# Altium PCB 全兼容主控.PCBDOC (part 7 of 9)
Units mil, origin at the board's own origin, x right, y up, seen from the top; angles counter-clockwise.
Board outline 7562.36 x 15046.55 mil, 2 copper layers (TopLayer, BottomLayer); 375 components, 257 nets, 1094 pads, 839 vias.
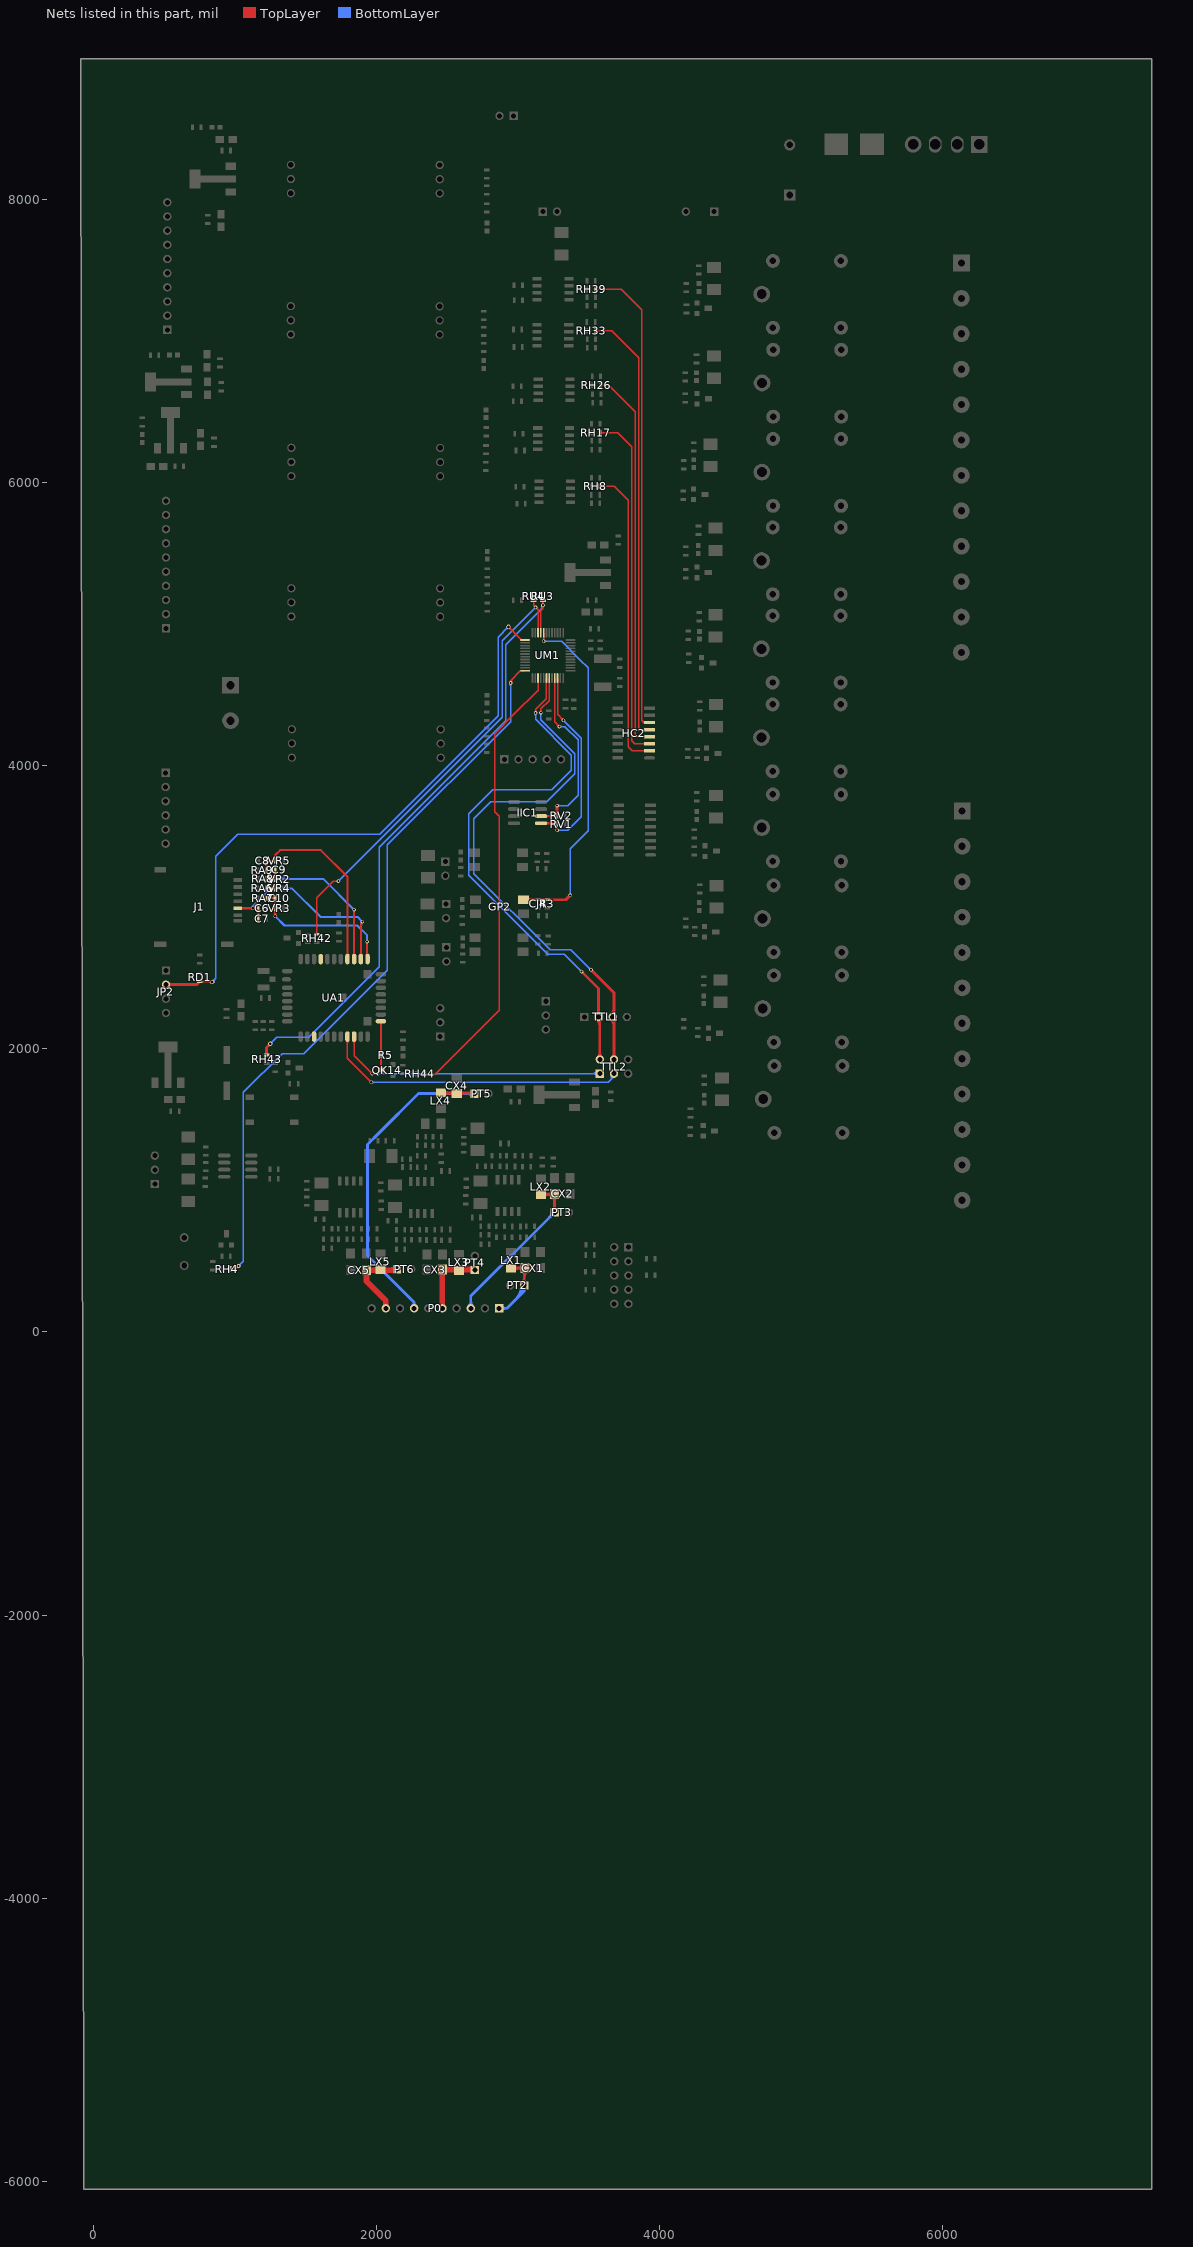
[diagram p7: the nets of this part, all layers, seen from the top]

## Via types
v1: diameter 30, hole 20, TopLayer to BottomLayer, 758 vias
v2: diameter 25, hole 15, TopLayer to BottomLayer, 81 vias

## Nets (pads, with @x,y where several pads share a name; then routed paths per layer and width w, separated by ;. In a path a pad name is that pad's centre, name@x,y a point inside that pad or via, vN(x,y) a via of type N, cw(c..) or ccw(c..) an arc to the next point about the centre after c; other vN are vias at no path point) (continued)
PB2: CJ4.2 GP2.4 R3.1 UM1.20 | length 2940.7
  TopLayer w10: v2(3181.18,4877.85) UM1.20@3181.18,4938.32 ; v2@3175.87,4883.16 ccw(c3163.07,4895.96) 3181.18,4895.96 ; v2@3175.87,4883.16 ccw(c3163.07,4895.96) 3181.18,4895.96 ; v2@3175.87,4883.16 ccw(c3163.07,4895.96) 3181.18,4895.96 ; 3181.18,4895.96 ccw(c3199.28,4895.96) v2@3186.48,4883.16 ; 3181.18,4895.96 ccw(c3199.28,4895.96) v2@3186.48,4883.16 ; 3181.18,4895.96 ccw(c3199.28,4895.96) v2@3186.48,4883.16
  TopLayer w20: GP2.4@3033.65,3045.68 3039.26,3051.3 3337.03,3051.3 v2(3368.83,3083.1) ; GP2.4@3063.82,3038.55 cw(c3094.59,3007.78) 3094.59,3051.3 ; GP2.4@3063.82,3038.55 cw(c3094.59,3007.78) 3094.59,3051.3 ; GP2.4@3063.82,3038.55 cw(c3094.59,3007.78) 3094.59,3051.3 ; GP2.4@3063.82,3066.17 ccw(c3099.72,3102.06) 3099.72,3051.3 ; GP2.4@3063.82,3066.17 ccw(c3099.72,3102.06) 3099.72,3051.3 ; GP2.4@3063.82,3066.17 ccw(c3099.72,3102.06) 3099.72,3051.3
  BottomLayer w10: v2(3181.18,4877.85) 3308.13,4877.85 3437.44,4748.55 3495.07,4690.91 3495.07,3538.42 3368.83,3412.17 v2(3368.83,3083.1) ; v2@3186.48,4872.55 cw(c3199.28,4859.75) 3199.28,4877.85 ; v2@3186.48,4872.55 cw(c3199.28,4859.75) 3199.28,4877.85 ; v2@3186.48,4872.55 cw(c3199.28,4859.75) 3199.28,4877.85 ; v2@3186.48,4883.16 ccw(c3199.28,4895.96) 3199.28,4877.85 ; v2@3186.48,4883.16 ccw(c3199.28,4895.96) 3199.28,4877.85 ; v2@3186.48,4883.16 ccw(c3199.28,4895.96) 3199.28,4877.85 ; v2@3363.53,3088.4 ccw(c3350.72,3101.2) 3368.83,3101.2 ; v2@3363.53,3088.4 ccw(c3350.72,3101.2) 3368.83,3101.2 ; v2@3363.53,3088.4 ccw(c3350.72,3101.2) 3368.83,3101.2 ; 3368.83,3101.2 ccw(c3386.94,3101.2) v2@3374.13,3088.4 ; 3368.83,3101.2 ccw(c3386.94,3101.2) v2@3374.13,3088.4 ; 3368.83,3101.2 ccw(c3386.94,3101.2) v2@3374.13,3088.4
PB3: RH44.2 UM1.39 | length 3259.1
  TopLayer w10: RH44.2@2336.28,1821.95 2419.1,1821.95 2867.34,2270.19 2867.34,3640.56 2835.52,3672.38 2835.52,4225.16 2971.08,4360.72 3141.81,4531.45 UM1.39@3141.81,4617.45 ; RH44.2@2339.7,1818.52 cw(c2347.97,1810.26) 2347.97,1821.95 ; RH44.2@2339.7,1818.52 cw(c2347.97,1810.26) 2347.97,1821.95 ; RH44.2@2339.7,1818.52 cw(c2347.97,1810.26) 2347.97,1821.95 ; RH44.2@2339.7,1825.37 ccw(c2347.97,1833.64) 2347.97,1821.95 ; RH44.2@2339.7,1825.37 ccw(c2347.97,1833.64) 2347.97,1821.95 ; RH44.2@2339.7,1825.37 ccw(c2347.97,1833.64) 2347.97,1821.95
PB8: IIC1.6 RV2.1 UM1.45 | length 1655.9
  TopLayer w10: UM1.45@3259.92,4617.45 3259.92,4307.67 v2(3292.44,4275.14) ; 3279.64,4287.95 cw(c3266.84,4275.14) v2@3284.94,4275.14 ; 3279.64,4287.95 ccw(c3292.44,4300.75) v2@3292.44,4282.64 ; 3279.64,4287.95 cw(c3266.84,4275.14) v2@3284.94,4275.14 ; 3279.64,4287.95 ccw(c3292.44,4300.75) v2@3292.44,4282.64 ; 3279.64,4287.95 cw(c3266.84,4275.14) v2@3284.94,4275.14 ; 3279.64,4287.95 ccw(c3292.44,4300.75) v2@3292.44,4282.64
  TopLayer w15: IIC1.6@3163.32,3642.13 3270.64,3642.13 RV2.1@3274.68,3646.17 ; IIC1.6@3197.29,3637.69 cw(c3208.01,3626.97) 3208.01,3642.13 ; IIC1.6@3197.29,3637.69 cw(c3208.01,3626.97) 3208.01,3642.13 ; IIC1.6@3197.29,3637.69 cw(c3208.01,3626.97) 3208.01,3642.13 ; IIC1.6@3197.29,3646.57 ccw(c3208.01,3657.29) 3208.01,3642.13 ; IIC1.6@3197.29,3646.57 ccw(c3208.01,3657.29) 3208.01,3642.13 ; IIC1.6@3197.29,3646.57 ccw(c3208.01,3657.29) 3208.01,3642.13 ; 3259.28,3642.13 ccw(c3259.28,3661.58) RV2.1@3273.03,3647.83 ; 3259.28,3642.13 ccw(c3259.28,3661.58) RV2.1@3273.03,3647.83 ; 3259.28,3642.13 ccw(c3259.28,3661.58) RV2.1@3273.03,3647.83
  TopLayer w20: RV2.1@3274.68,3646.17 3274.68,3714.42 v2(3276.86,3716.59)
  BottomLayer w10: v2(3276.86,3716.59) 3352.67,3716.59 3425.7,3789.62 3425.7,4180.69 3331.25,4275.14 v2(3292.44,4275.14) ; v2@3282.16,3711.29 cw(c3294.97,3698.49) 3294.97,3716.59 ; v2@3282.16,3711.29 cw(c3294.97,3698.49) 3294.97,3716.59 ; v2@3282.16,3711.29 cw(c3294.97,3698.49) 3294.97,3716.59 ; v2@3282.16,3721.9 ccw(c3294.97,3734.7) 3294.97,3716.59 ; v2@3282.16,3721.9 ccw(c3294.97,3734.7) 3294.97,3716.59 ; v2@3282.16,3721.9 ccw(c3294.97,3734.7) 3294.97,3716.59 ; v2@3297.75,4269.84 cw(c3310.55,4257.04) 3310.55,4275.14 ; v2@3297.75,4269.84 cw(c3310.55,4257.04) 3310.55,4275.14 ; v2@3297.75,4269.84 cw(c3310.55,4257.04) 3310.55,4275.14 ; v2@3297.75,4280.45 ccw(c3310.55,4293.25) 3310.55,4275.14 ; v2@3297.75,4280.45 ccw(c3310.55,4293.25) 3310.55,4275.14 ; v2@3297.75,4280.45 ccw(c3310.55,4293.25) 3310.55,4275.14
PB9: IIC1.5 RV1.1 UM1.46 | length 1778.8
  TopLayer w10: UM1.46@3279.6,4617.45 3279.6,4361.22 v2(3320.92,4319.9) ; 3308.12,4332.71 cw(c3295.32,4319.9) v2@3313.42,4319.9 ; 3308.12,4332.71 ccw(c3320.92,4345.51) v2@3320.92,4327.4 ; 3308.12,4332.71 cw(c3295.32,4319.9) v2@3313.42,4319.9 ; 3308.12,4332.71 ccw(c3320.92,4345.51) v2@3320.92,4327.4 ; 3308.12,4332.71 cw(c3295.32,4319.9) v2@3313.42,4319.9 ; 3308.12,4332.71 ccw(c3320.92,4345.51) v2@3320.92,4327.4
  TopLayer w15: IIC1.5@3163.32,3592.13 3267.43,3592.13 RV1.1@3274.35,3585.21 ; IIC1.5@3197.29,3587.69 cw(c3208.01,3576.97) 3208.01,3592.13 ; IIC1.5@3197.29,3587.69 cw(c3208.01,3576.97) 3208.01,3592.13 ; IIC1.5@3197.29,3587.69 cw(c3208.01,3576.97) 3208.01,3592.13 ; IIC1.5@3197.29,3596.57 ccw(c3208.01,3607.29) 3208.01,3592.13 ; IIC1.5@3197.29,3596.57 ccw(c3208.01,3607.29) 3208.01,3592.13 ; IIC1.5@3197.29,3596.57 ccw(c3208.01,3607.29) 3208.01,3592.13 ; 3261.65,3592.13 ccw(c3261.65,3607.75) RV1.1@3272.7,3596.71 ; 3261.65,3592.13 ccw(c3261.65,3607.75) RV1.1@3272.7,3596.71 ; 3261.65,3592.13 ccw(c3261.65,3607.75) RV1.1@3272.7,3596.71
  TopLayer w20: v2@3274.35,3544.32 RV1.1@3274.35,3585.21
  BottomLayer w10: v2(3276.4,3542.28) 3276.45,3542.33 3351.85,3542.33 3447.52,3638 3447.52,4193.31 v2(3320.92,4319.9) ; v2@3281.7,3536.97 cw(c3294.64,3524.04) 3294.64,3542.33 ; v2@3281.7,3536.97 cw(c3294.64,3524.04) 3294.64,3542.33 ; v2@3281.7,3536.97 cw(c3294.64,3524.04) 3294.64,3542.33 ; v2@3281.7,3547.58 ccw(c3294.37,3560.25) 3294.37,3542.33 ; v2@3281.7,3547.58 ccw(c3294.37,3560.25) 3294.37,3542.33 ; v2@3281.7,3547.58 ccw(c3294.37,3560.25) 3294.37,3542.33 ; v2@3320.92,4312.4 cw(c3320.92,4294.3) 3333.73,4307.1 ; v2@3320.92,4312.4 cw(c3320.92,4294.3) 3333.73,4307.1 ; v2@3320.92,4312.4 cw(c3320.92,4294.3) 3333.73,4307.1 ; v2@3328.42,4319.9 ccw(c3346.53,4319.9) 3333.73,4307.1 ; v2@3328.42,4319.9 ccw(c3346.53,4319.9) 3333.73,4307.1 ; v2@3328.42,4319.9 ccw(c3346.53,4319.9) 3333.73,4307.1
PB10: RH43.2 RU3.2 UM1.21 | length 4982.4
  TopLayer w10: UM1.21@3161.49,4938.32 3161.49,5092.5 3176.5,5107.51 RU3.2@3176.5,5165.15 ; v2@3171.29,5126.22 cw(c3158.71,5113.64) 3176.5,5113.64 ; v2@3171.29,5126.22 cw(c3158.71,5113.64) 3176.5,5113.64 ; v2@3171.29,5126.22 cw(c3158.71,5113.64) 3176.5,5113.64 ; v2@3171.29,5136.82 ccw(c3158.71,5149.4) 3176.5,5149.4 ; v2@3171.29,5136.82 ccw(c3158.71,5149.4) 3176.5,5149.4 ; v2@3171.29,5136.82 ccw(c3158.71,5149.4) 3176.5,5149.4 ; RU3.2@3173.08,5161.72 cw(c3164.81,5153.46) 3176.5,5153.46 ; RU3.2@3173.08,5161.72 cw(c3164.81,5153.46) 3176.5,5153.46 ; RU3.2@3173.08,5161.72 cw(c3164.81,5153.46) 3176.5,5153.46 ; 3176.5,5113.19 cw(c3194.93,5113.19) v2@3181.9,5126.22 ; 3176.5,5113.19 cw(c3194.93,5113.19) v2@3181.9,5126.22 ; 3176.5,5113.19 cw(c3194.93,5113.19) v2@3181.9,5126.22 ; 3176.5,5149.85 ccw(c3194.93,5149.85) v2@3181.9,5136.82 ; 3176.5,5149.85 ccw(c3194.93,5149.85) v2@3181.9,5136.82 ; 3176.5,5149.85 ccw(c3194.93,5149.85) v2@3181.9,5136.82 ; 3176.5,5153.46 cw(c3188.19,5153.46) RU3.2@3179.93,5161.72 ; 3176.5,5153.46 cw(c3188.19,5153.46) RU3.2@3179.93,5161.72 ; 3176.5,5153.46 cw(c3188.19,5153.46) RU3.2@3179.93,5161.72
  TopLayer w20: RH43.2@1224.75,1955.22 1224.75,2009.38 v1(1249.84,2034.47)
  BottomLayer w10: v1(1249.84,2034.47) 1295.11,2079.74 1520.96,2079.74 2018.7,2577.48 2018.7,3421.22 2912.73,4315.25 2912.73,4851 3176.6,5114.86 ; v2(3176.6,5131.52) 3176.6,5114.86 ; v1@1249.84,2044.47 ccw(c1249.84,2068.61) 1266.91,2051.54 ; v1@1249.84,2044.47 ccw(c1249.84,2068.61) 1266.91,2051.54 ; v1@1249.84,2044.47 ccw(c1249.84,2068.61) 1266.91,2051.54 ; v1@1259.84,2034.47 cw(c1283.98,2034.47) 1266.91,2051.54 ; v1@1259.84,2034.47 cw(c1283.98,2034.47) 1266.91,2051.54 ; v1@1259.84,2034.47 cw(c1283.98,2034.47) 1266.91,2051.54 ; 3152.01,5090.28 ccw(c3110.78,5131.52) v2@3169.1,5131.52 ; 3152.01,5090.28 ccw(c3110.78,5131.52) v2@3169.1,5131.52 ; 3152.01,5090.28 ccw(c3110.78,5131.52) v2@3169.1,5131.52 ; 3169.09,5107.35 ccw(c3144.92,5131.52) v2@3179.1,5131.52 ; 3169.09,5107.35 ccw(c3144.92,5131.52) v2@3179.1,5131.52 ; 3169.09,5107.35 ccw(c3144.92,5131.52) v2@3179.1,5131.52 ; v2@3171.62,5125.9 cw(c3161.85,5114.86) 3176.6,5114.86 ; v2@3171.62,5125.9 cw(c3161.85,5114.86) 3176.6,5114.86 ; v2@3171.62,5125.9 cw(c3161.85,5114.86) 3176.6,5114.86 ; 3176.6,5114.86 cw(c3191.34,5114.86) v2@3181.57,5125.9 ; 3176.6,5114.86 cw(c3191.34,5114.86) v2@3181.57,5125.9 ; 3176.6,5114.86 cw(c3191.34,5114.86) v2@3181.57,5125.9
PB11: RH42.2 RU4.2 UM1.22 | length 3747.7
  TopLayer w10: RH42.2@1577.36,2808.38 1577.36,3064.81 1695.55,3183 v2(1732.17,3183) ; RU4.2@3109.84,5165.15 3109.84,5131.56 3141.81,5099.59 UM1.22@3141.81,4938.32 ; RH42.2@1573.94,2811.81 ccw(c1565.67,2820.07) 1577.36,2820.07 ; RH42.2@1573.94,2811.81 ccw(c1565.67,2820.07) 1577.36,2820.07 ; RH42.2@1573.94,2811.81 ccw(c1565.67,2820.07) 1577.36,2820.07 ; 1577.36,2820.07 ccw(c1589.05,2820.07) RH42.2@1580.78,2811.81 ; 1577.36,2820.07 ccw(c1589.05,2820.07) RH42.2@1580.78,2811.81 ; 1577.36,2820.07 ccw(c1589.05,2820.07) RH42.2@1580.78,2811.81 ; 1714.06,3183 cw(c1714.06,3164.89) v2@1726.86,3177.7 ; 1714.06,3183 ccw(c1714.06,3201.11) v2@1726.86,3188.3 ; 1714.06,3183 cw(c1714.06,3164.89) v2@1726.86,3177.7 ; 1714.06,3183 ccw(c1714.06,3201.11) v2@1726.86,3188.3 ; 1714.06,3183 cw(c1714.06,3164.89) v2@1726.86,3177.7 ; 1714.06,3183 ccw(c1714.06,3201.11) v2@1726.86,3188.3 ; RU4.2@3106.41,5161.72 cw(c3098.15,5153.46) 3109.84,5153.46 ; RU4.2@3106.41,5161.72 cw(c3098.15,5153.46) 3109.84,5153.46 ; RU4.2@3106.41,5161.72 cw(c3098.15,5153.46) 3109.84,5153.46 ; 3109.84,5153.46 cw(c3121.53,5153.46) RU4.2@3113.26,5161.72 ; 3109.84,5153.46 cw(c3121.53,5153.46) RU4.2@3113.26,5161.72 ; 3109.84,5153.46 cw(c3121.53,5153.46) RU4.2@3113.26,5161.72 ; 3111.62,5129.78 cw(c3098.82,5116.98) v2@3116.92,5116.98 ; 3111.62,5129.78 ccw(c3124.42,5142.58) v2@3124.42,5124.48 ; 3111.62,5129.78 cw(c3098.82,5116.98) v2@3116.92,5116.98 ; 3111.62,5129.78 ccw(c3124.42,5142.58) v2@3124.42,5124.48 ; 3111.62,5129.78 cw(c3098.82,5116.98) v2@3116.92,5116.98 ; 3111.62,5129.78 ccw(c3124.42,5142.58) v2@3124.42,5124.48 ; v2@3124.42,5109.48 cw(c3124.42,5091.37) 3137.23,5104.17 ; v2@3124.42,5109.48 cw(c3124.42,5091.37) 3137.23,5104.17 ; v2@3124.42,5109.48 cw(c3124.42,5091.37) 3137.23,5104.17 ; v2@3131.92,5116.98 ccw(c3150.03,5116.98) 3137.23,5104.17 ; v2@3131.92,5116.98 ccw(c3150.03,5116.98) 3137.23,5104.17 ; v2@3131.92,5116.98 ccw(c3150.03,5116.98) 3137.23,5104.17
  BottomLayer w10: v2(1732.17,3183) 1732.17,3183.43 2890.11,4341.38 2890.11,4882.67 3041.03,5033.59 v2(3124.42,5116.98) ; v2@1732.17,3190.5 ccw(c1732.17,3207.57) 1744.24,3195.5 ; v2@1732.17,3190.5 ccw(c1732.17,3207.57) 1744.24,3195.5 ; v2@1732.17,3190.5 ccw(c1732.17,3207.57) 1744.24,3195.5 ; v2@1739.67,3183 cw(c1758.81,3183) 1745.27,3196.53 ; v2@1739.67,3183 cw(c1758.81,3183) 1745.27,3196.53 ; v2@1739.67,3183 cw(c1758.81,3183) 1745.27,3196.53 ; 3111.62,5104.17 cw(c3124.42,5091.37) v2@3124.42,5109.48 ; 3111.62,5104.17 ccw(c3098.82,5116.98) v2@3116.92,5116.98 ; 3111.62,5104.17 cw(c3124.42,5091.37) v2@3124.42,5109.48 ; 3111.62,5104.17 ccw(c3098.82,5116.98) v2@3116.92,5116.98 ; 3111.62,5104.17 cw(c3124.42,5091.37) v2@3124.42,5109.48 ; 3111.62,5104.17 ccw(c3098.82,5116.98) v2@3116.92,5116.98
PB12: JP2.2 RD1.2 UM1.25 | length 5146.3
  TopLayer w10: v1(2932.48,4979.23) 3025.55,4886.15 UM1.25@3050.27,4886.15 ; 3017.48,4894.23 cw(c3009.41,4886.15) UM1.25@3020.82,4886.15 ; v1@2932.48,4969.23 cw(c2932.48,4945.08) 2949.55,4962.15 ; v1@2932.48,4969.23 cw(c2932.48,4945.08) 2949.55,4962.15 ; v1@2932.48,4969.23 cw(c2932.48,4945.08) 2949.55,4962.15 ; v1@2942.48,4979.23 ccw(c2966.62,4979.23) 2949.55,4962.15 ; v1@2942.48,4979.23 ccw(c2966.62,4979.23) 2949.55,4962.15 ; v1@2942.48,4979.23 ccw(c2966.62,4979.23) 2949.55,4962.15
  TopLayer w15: RD1.2@752.28,2473.37 837.15,2473.37 v1(839.86,2470.66) ; 815.2,2473.37 cw(c815.2,2445.99) v1@834.56,2465.35 ; 815.2,2473.37 cw(c815.2,2445.99) v1@834.56,2465.35 ; 815.2,2473.37 cw(c815.2,2445.99) v1@834.56,2465.35
  TopLayer w20: JP2.2@513.62,2452.2 731.11,2452.2 RD1.2@752.28,2473.37 ; JP2.2@527.43,2438.39 cw(c560.76,2405.06) 560.76,2452.2 ; JP2.2@527.43,2438.39 cw(c560.76,2405.06) 560.76,2452.2 ; JP2.2@527.43,2438.39 cw(c560.76,2405.06) 560.76,2452.2 ; JP2.2@527.43,2466.01 ccw(c560.76,2499.35) 560.76,2452.2 ; JP2.2@527.43,2466.01 ccw(c560.76,2499.35) 560.76,2452.2 ; JP2.2@527.43,2466.01 ccw(c560.76,2499.35) 560.76,2452.2 ; 736.03,2457.12 ccw(c720.17,2472.98) RD1.2@742.59,2473.38 ; 736.03,2457.12 ccw(c720.17,2472.98) RD1.2@742.59,2473.38 ; 736.03,2457.12 ccw(c720.17,2472.98) RD1.2@742.59,2473.38
  BottomLayer w10: v1(839.86,2470.66) 865.44,2496.23 865.44,3358.48 1021.05,3514.09 2023.99,3514.09 2860.66,4350.76 2860.66,4907.4 v1(2932.48,4979.23) ; v1@839.86,2480.66 ccw(c839.86,2504.8) 856.94,2487.73 ; v1@839.86,2480.66 ccw(c839.86,2504.8) 856.94,2487.73 ; v1@839.86,2480.66 ccw(c839.86,2504.8) 856.94,2487.73 ; v1@849.86,2470.66 cw(c874.01,2470.66) 856.94,2487.73 ; v1@849.86,2470.66 cw(c874.01,2470.66) 856.94,2487.73 ; v1@849.86,2470.66 cw(c874.01,2470.66) 856.94,2487.73 ; 2915.41,4962.15 cw(c2932.48,4945.08) v1@2932.48,4969.23 ; 2915.41,4962.15 ccw(c2898.34,4979.23) v1@2922.48,4979.23 ; 2915.41,4962.15 cw(c2932.48,4945.08) v1@2932.48,4969.23 ; 2915.41,4962.15 ccw(c2898.34,4979.23) v1@2922.48,4979.23 ; 2915.41,4962.15 cw(c2932.48,4945.08) v1@2932.48,4969.23 ; 2915.41,4962.15 ccw(c2898.34,4979.23) v1@2922.48,4979.23
PF7: RH4.2 UM1.36 | length 5840.2
  TopLayer w10: RH4.2@971.57,443.78 1004.71,443.78 v2(1025.97,465.04) ; v2(2947.35,4582.71) 2947.35,4599.92 ; 3012.2,4664.76 cw(c3021.73,4655.23) UM1.36@3021.73,4668.71 ; UM1.36@3050.27,4669.62 3017.05,4669.62 2947.35,4599.92 ; RH4.2@974.99,440.35 cw(c983.26,432.09) 983.26,443.78 ; RH4.2@974.99,440.35 cw(c983.26,432.09) 983.26,443.78 ; RH4.2@974.99,440.35 cw(c983.26,432.09) 983.26,443.78 ; RH4.2@974.99,447.2 ccw(c983.26,455.47) 983.26,443.78 ; RH4.2@974.99,447.2 ccw(c983.26,455.47) 983.26,443.78 ; RH4.2@974.99,447.2 ccw(c983.26,455.47) 983.26,443.78 ; 1013.17,452.23 cw(c1025.97,439.43) v2@1025.97,457.54 ; 1013.17,452.23 ccw(c1000.36,465.04) v2@1018.47,465.04 ; 1013.17,452.23 cw(c1025.97,439.43) v2@1025.97,457.54 ; 1013.17,452.23 ccw(c1000.36,465.04) v2@1018.47,465.04 ; 1013.17,452.23 cw(c1025.97,439.43) v2@1025.97,457.54 ; 1013.17,452.23 ccw(c1000.36,465.04) v2@1018.47,465.04 ; v2@2942.25,4588.2 ccw(c2931.35,4599.92) 2947.35,4599.92 ; v2@2942.25,4588.2 ccw(c2931.35,4599.92) 2947.35,4599.92 ; v2@2942.25,4588.2 ccw(c2931.35,4599.92) 2947.35,4599.92 ; v2@2944.85,4582.71 cw(c2980.38,4582.71) 2955.26,4607.83 ; v2@2944.85,4582.71 cw(c2980.38,4582.71) 2955.26,4607.83 ; v2@2944.85,4582.71 cw(c2980.38,4582.71) 2955.26,4607.83 ; 2947.35,4599.92 ccw(c2963.36,4599.92) v2@2952.46,4588.2 ; 2947.35,4599.92 ccw(c2963.36,4599.92) v2@2952.46,4588.2 ; 2947.35,4599.92 ccw(c2963.36,4599.92) v2@2952.46,4588.2 ; v2@2954.85,4582.71 cw(c3014.52,4582.71) 2972.33,4624.9 ; v2@2954.85,4582.71 cw(c3014.52,4582.71) 2972.33,4624.9 ; v2@2954.85,4582.71 cw(c3014.52,4582.71) 2972.33,4624.9
  BottomLayer w10: v2(1025.97,465.04) 1060.21,499.27 1060.21,1690.47 1334.39,1964.66 1487.36,1964.66 2076,2553.29 2076,3438.79 2947.35,4310.14 v2(2947.35,4582.71) ; v2@1025.97,472.54 ccw(c1025.97,490.64) 1038.77,477.84 ; v2@1025.97,472.54 ccw(c1025.97,490.64) 1038.77,477.84 ; v2@1025.97,472.54 ccw(c1025.97,490.64) 1038.77,477.84 ; v2@1033.47,465.04 cw(c1051.58,465.04) 1038.77,477.84 ; v2@1033.47,465.04 cw(c1051.58,465.04) 1038.77,477.84 ; v2@1033.47,465.04 cw(c1051.58,465.04) 1038.77,477.84 ; v2@2942.05,4577.4 cw(c2929.25,4564.6) 2947.35,4564.6 ; v2@2942.05,4577.4 cw(c2929.25,4564.6) 2947.35,4564.6 ; v2@2942.05,4577.4 cw(c2929.25,4564.6) 2947.35,4564.6 ; 2947.35,4564.6 cw(c2965.46,4564.6) v2@2952.66,4577.4 ; 2947.35,4564.6 cw(c2965.46,4564.6) v2@2952.66,4577.4 ; 2947.35,4564.6 cw(c2965.46,4564.6) v2@2952.66,4577.4
PT100-1: CX1.2 LX1.2 P0.1 PT2.1 | length 2414.5
  TopLayer w20: LX1.2@2924.41,449.55 2925.14,450.28 CX1.2@3049.56,450.28 3043.84,444.56 PT2.1@3043.84,327.62 ; LX1.2@2970.84,433.74 cw(c3010.78,393.8) 3010.78,450.28 ; LX1.2@2970.84,433.74 cw(c3010.78,393.8) 3010.78,450.28 ; LX1.2@2970.84,433.74 cw(c3010.78,393.8) 3010.78,450.28 ; LX1.2@2970.84,464.14 ccw(c3004.3,497.6) 3004.3,450.28 ; LX1.2@2970.84,464.14 ccw(c3004.3,497.6) 3004.3,450.28 ; LX1.2@2970.84,464.14 ccw(c3004.3,497.6) 3004.3,450.28 ; 2997.67,450.28 cw(c2997.67,398.39) CX1.2@3034.36,435.08 ; 2997.67,450.28 ccw(c2997.67,502.18) CX1.2@3034.36,465.48 ; 2997.67,450.28 cw(c2997.67,398.39) CX1.2@3034.36,435.08 ; 2997.67,450.28 ccw(c2997.67,502.18) CX1.2@3034.36,465.48 ; 2997.67,450.28 cw(c2997.67,398.39) CX1.2@3034.36,435.08 ; 2997.67,450.28 ccw(c2997.67,502.18) CX1.2@3034.36,465.48 ; PT2.1@3030.03,341.43 ccw(c2996.69,374.76) 3043.84,374.76 ; PT2.1@3030.03,341.43 ccw(c2996.69,374.76) 3043.84,374.76 ; PT2.1@3030.03,341.43 ccw(c2996.69,374.76) 3043.84,374.76 ; CX1.2@3034.36,431.15 cw(c3011.49,408.27) 3043.84,408.27 ; CX1.2@3034.36,431.15 cw(c3011.49,408.27) 3043.84,408.27 ; CX1.2@3034.36,431.15 cw(c3011.49,408.27) 3043.84,408.27 ; 3043.84,374.76 ccw(c3090.98,374.76) PT2.1@3057.65,341.43 ; 3043.84,374.76 ccw(c3090.98,374.76) PT2.1@3057.65,341.43 ; 3043.84,374.76 ccw(c3090.98,374.76) PT2.1@3057.65,341.43 ; 3043.84,380.63 cw(c3115.28,380.63) CX1.2@3064.76,431.15 ; 3043.84,380.63 cw(c3115.28,380.63) CX1.2@3064.76,431.15 ; 3043.84,380.63 cw(c3115.28,380.63) CX1.2@3064.76,431.15
  BottomLayer w20: P0.1@2866.5,166.22 2921.66,166.22 3043.84,288.4 ; PT2.1@3043.84,327.62 3043.84,288.4 ; P0.1@2880.31,152.41 cw(c2913.65,119.08) 2913.65,166.22 ; P0.1@2880.31,152.41 cw(c2913.65,119.08) 2913.65,166.22 ; P0.1@2880.31,152.41 cw(c2913.65,119.08) 2913.65,166.22 ; P0.1@2880.31,180.03 ccw(c2913.65,213.37) 2913.65,166.22 ; P0.1@2880.31,180.03 ccw(c2913.65,213.37) 2913.65,166.22 ; P0.1@2880.31,180.03 ccw(c2913.65,213.37) 2913.65,166.22 ; 2982.77,227.33 ccw(c2882.47,327.62) PT2.1@3024.31,327.62 ; 2982.77,227.33 ccw(c2882.47,327.62) PT2.1@3024.31,327.62 ; 2982.77,227.33 ccw(c2882.47,327.62) PT2.1@3024.31,327.62 ; 3016.91,261.47 ccw(c2950.76,327.62) PT2.1@3044.31,327.62 ; 3016.91,261.47 ccw(c2950.76,327.62) PT2.1@3044.31,327.62 ; 3016.91,261.47 ccw(c2950.76,327.62) PT2.1@3044.31,327.62 ; PT2.1@3032.07,312.04 cw(c3014.21,288.4) 3043.84,288.4 ; PT2.1@3032.07,312.04 cw(c3014.21,288.4) 3043.84,288.4 ; PT2.1@3032.07,312.04 cw(c3014.21,288.4) 3043.84,288.4 ; 3043.84,288.4 cw(c3073.46,288.4) PT2.1@3055.61,312.04 ; 3043.84,288.4 cw(c3073.46,288.4) PT2.1@3055.61,312.04 ; 3043.84,288.4 cw(c3073.46,288.4) PT2.1@3055.61,312.04
PT100-2: CX2.2 LX2.2 P0.3 PT3.1 | length 2555.1